# KiCad board data-center-ddr5-tester.kicad_pcb (continued)
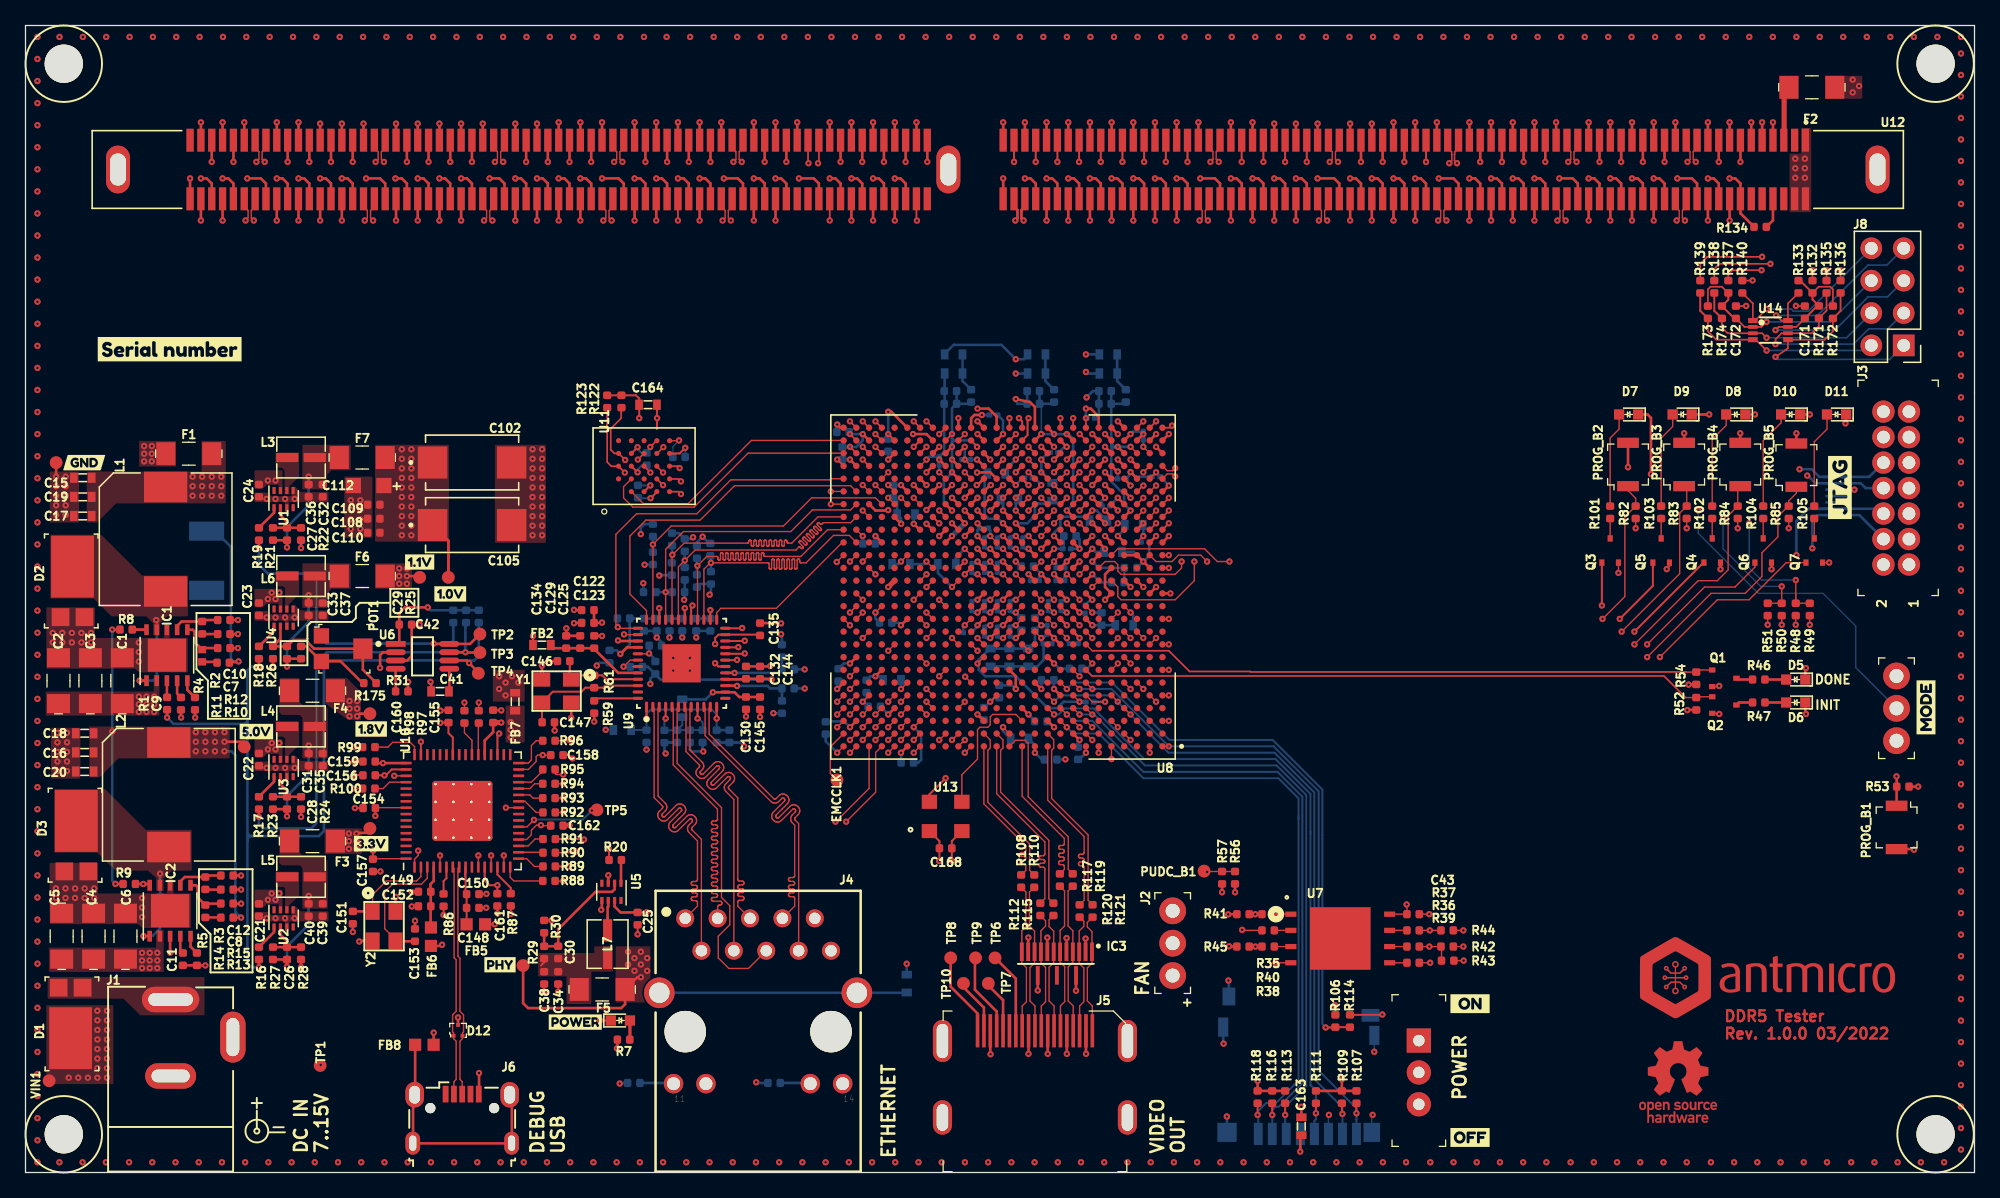
[diagram p0: board, top side]
## Routing (per net, layer and track width the routed paths; a pad name or vN(x,y) marks a point on that pad's centre or on a via; arc(x,y) is an arc through that point) (continued)
DQ0_A: length 77.6
  Top w0.2: U12.7 v4(134.45,79.3) ; v4(84.64,48.94) U8.U6
  In2.Cu w0.127: v4(84.64,48.94) 84.64,46.69 85.39,45.94 115.19,45.94 134.45,65.2 134.45,76.09 134.45,76.12 134.46,76.14 134.48,76.17 134.5,76.19 134.52,76.2 134.55,76.21 134.58,76.22 134.6,76.22 134.63,76.22 134.65,76.23 134.68,76.24 134.7,76.26 134.71,76.29 134.72,76.31 134.72,76.34 134.72,76.37 134.71,76.4 134.7,76.42 134.68,76.44 134.65,76.46 134.63,76.47 134.6,76.47 134.3,76.47 134.27,76.47 134.25,76.48 134.22,76.5 134.2,76.52 134.19,76.54 134.18,76.57 134.18,76.6 134.18,76.62 134.19,76.65 134.2,76.68 134.22,76.7 134.25,76.71 134.27,76.72 134.3,76.72 134.32,76.72 134.35,76.73 134.38,76.74 134.4,76.75 134.42,76.77 134.44,76.79 134.45,76.82 134.45,76.85 v4(134.45,79.3)
DQ0_B: length 57.1
  Top w0.2: U12.100 v4(50.3,79.3) ; v4(74.64,59.94) 75.51,59.94 76.14,59.31 U8.AF14
  In2.Cu w0.127: v4(50.3,79.3) 50.3,78.95 50.3,78.92 50.29,78.89 50.27,78.87 50.25,78.85 50.23,78.84 50.2,78.83 50.17,78.82 50.03,78.82 50,78.82 49.98,78.81 49.95,78.8 49.93,78.78 49.92,78.75 49.91,78.72 49.91,78.7 49.91,78.67 49.92,78.64 49.93,78.62 49.95,78.6 49.98,78.58 50,78.57 50.03,78.57 50.57,78.57 50.6,78.57 50.62,78.56 50.65,78.54 50.67,78.52 50.68,78.5 50.69,78.47 50.69,78.44 50.69,78.41 50.68,78.39 50.67,78.36 50.65,78.34 50.62,78.33 50.6,78.32 50.57,78.31 50.03,78.31 50,78.31 49.98,78.3 49.95,78.29 49.93,78.27 49.92,78.24 49.91,78.22 49.91,78.19 49.91,78.16 49.92,78.13 49.93,78.11 49.95,78.09 49.98,78.07 50,78.06 50.03,78.06 50.57,78.06 50.6,78.06 50.62,78.05 50.65,78.03 50.67,78.01 50.68,77.99 50.69,77.96 50.69,77.93 50.69,77.91 50.68,77.88 50.67,77.85 50.65,77.83 50.62,77.82 50.6,77.81 50.57,77.81 50.03,77.81 50,77.8 49.98,77.79 49.95,77.78 49.93,77.76 49.92,77.74 49.91,77.71 49.91,77.68 49.91,77.65 49.92,77.62 49.93,77.6 49.95,77.58 49.98,77.57 50,77.56 50.03,77.55 50.57,77.55 50.6,77.55 50.62,77.54 50.65,77.53 50.67,77.51 50.68,77.48 50.69,77.45 50.69,77.43 50.69,77.4 50.68,77.37 50.67,77.35 50.65,77.33 50.62,77.31 50.6,77.3 50.57,77.3 50.03,77.3 50,77.3 49.98,77.29 49.95,77.27 49.93,77.25 49.92,77.23 49.91,77.2 49.91,77.17 49.91,77.14 49.92,77.12 49.93,77.09 49.95,77.07 49.98,77.06 50,77.05 50.03,77.05 50.57,77.05 50.6,77.04 50.62,77.03 50.65,77.02 50.67,77 50.68,76.97 50.69,76.95 50.69,76.92 50.69,76.89 50.68,76.86 50.67,76.84 50.65,76.82 50.62,76.8 50.6,76.79 50.57,76.79 50.03,76.79 50,76.79 49.98,76.78 49.95,76.76 49.93,76.74 49.92,76.72 49.91,76.69 49.91,76.66 49.91,76.64 49.92,76.61 49.93,76.58 49.95,76.56 49.98,76.55 50,76.54 50.03,76.54 50.57,76.54 50.6,76.53 50.62,76.52 50.65,76.51 50.67,76.49 50.68,76.47 50.69,76.44 50.69,76.41 50.69,76.38 50.68,76.35 50.67,76.33 50.65,76.31 50.62,76.3 50.6,76.29 50.57,76.28 50.03,76.28 50,76.28 49.98,76.27 49.95,76.26 49.93,76.24 49.92,76.21 49.91,76.18 49.91,76.16 49.91,76.13 49.92,76.1 49.93,76.08 49.95,76.06 49.98,76.04 50,76.03 50.03,76.03 50.57,76.03 50.6,76.03 50.62,76.02 50.65,76 50.67,75.98 50.68,75.96 50.69,75.93 50.69,75.9 50.69,75.87 50.68,75.85 50.67,75.82 50.65,75.8 50.62,75.79 50.6,75.78 50.57,75.78 50.03,75.78 50,75.77 49.98,75.76 49.95,75.75 49.93,75.73 49.92,75.7 49.91,75.68 49.91,75.65 49.91,75.62 49.92,75.59 49.93,75.57 49.95,75.55 49.98,75.53 50,75.52 50.03,75.52 50.57,75.52 50.6,75.52 50.62,75.51 50.65,75.49 50.67,75.47 50.68,75.45 50.69,75.42 50.69,75.39 50.69,75.37 50.68,75.34 50.67,75.31 50.65,75.29 50.62,75.28 50.6,75.27 50.57,75.27 50.03,75.27 50,75.26 49.98,75.25 49.95,75.24 49.93,75.22 49.92,75.2 49.91,75.17 49.91,75.14 49.91,75.11 49.92,75.08 49.93,75.06 49.95,75.04 49.98,75.03 50,75.02 50.03,75.01 50.57,75.01 50.6,75.01 50.62,75 50.65,74.99 50.67,74.97 50.68,74.94 50.69,74.91 50.69,74.89 50.69,74.86 50.68,74.83 50.67,74.81 50.65,74.79 50.62,74.77 50.6,74.76 50.57,74.76 50.43,74.76 50.4,74.76 50.37,74.75 50.35,74.73 50.33,74.71 50.31,74.69 50.3,74.66 50.3,74.63 50.3,66.03 50.89,65.44 72.39,65.44 74.64,63.19 v4(74.64,59.94)
DQ1_A: length 77.6
  Top w0.2: U12.9 v4(132.75,79.3) ; U8.U5 v4(84.64,49.94)
  In2.Cu w0.127: v4(84.64,49.94) 85.01,49.94 85.64,49.31 85.64,47.94 86.64,46.94 114.19,46.94 132.75,65.5 132.75,75.57 132.75,75.6 132.76,75.63 132.78,75.65 132.8,75.67 132.82,75.69 132.85,75.7 132.88,75.7 132.98,75.7 133.01,75.7 133.04,75.71 133.06,75.73 133.08,75.75 133.1,75.77 133.11,75.8 133.11,75.83 133.11,75.85 133.1,75.88 133.08,75.91 133.06,75.93 133.04,75.94 133.01,75.95 132.98,75.95 132.52,75.95 132.49,75.96 132.46,75.97 132.44,75.98 132.42,76 132.4,76.02 132.39,76.05 132.39,76.08 132.39,76.11 132.4,76.14 132.42,76.16 132.44,76.18 132.46,76.19 132.49,76.2 132.52,76.21 132.98,76.21 133.01,76.21 133.04,76.22 133.06,76.23 133.08,76.25 133.1,76.28 133.11,76.31 133.11,76.33 133.11,76.36 133.1,76.39 133.08,76.41 133.06,76.43 133.04,76.45 133.01,76.46 132.98,76.46 132.52,76.46 132.49,76.46 132.46,76.47 132.44,76.49 132.42,76.51 132.4,76.53 132.39,76.56 132.39,76.59 132.39,76.62 132.4,76.64 132.42,76.67 132.44,76.69 132.46,76.7 132.49,76.71 132.52,76.72 132.98,76.72 133.01,76.72 133.04,76.73 133.06,76.74 133.08,76.76 133.1,76.79 133.11,76.81 133.11,76.84 133.11,76.87 133.1,76.9 133.08,76.92 133.06,76.94 133.04,76.96 133.01,76.97 132.98,76.97 132.52,76.97 132.49,76.97 132.46,76.98 132.44,77 132.42,77.02 132.4,77.04 132.39,77.07 132.39,77.1 132.39,77.12 132.4,77.15 132.42,77.18 132.44,77.2 132.46,77.21 132.49,77.22 132.52,77.22 132.62,77.22 132.65,77.23 132.68,77.24 132.7,77.25 132.72,77.27 132.74,77.29 132.75,77.32 132.75,77.35 v4(132.75,79.3)
DQ1_B: length 57.1
  Top w0.2: U12.102 v4(48.6,79.3) ; U8.AE15 v4(74.64,57.94)
  In2.Cu w0.127: v4(74.64,57.94) 73.64,58.94 73.64,62.69 71.89,64.44 49.14,64.44 48.6,64.98 48.6,75.09 48.6,75.12 48.61,75.15 48.63,75.17 48.65,75.19 48.67,75.2 48.7,75.21 48.73,75.22 48.86,75.22 48.89,75.22 48.92,75.23 48.94,75.24 48.96,75.26 48.98,75.29 48.99,75.32 48.99,75.34 48.99,75.37 48.98,75.4 48.96,75.42 48.94,75.44 48.92,75.46 48.89,75.47 48.86,75.47 48.34,75.47 48.31,75.47 48.28,75.48 48.26,75.5 48.24,75.52 48.22,75.54 48.21,75.57 48.21,75.6 48.21,75.63 48.22,75.65 48.24,75.68 48.26,75.7 48.28,75.71 48.31,75.72 48.34,75.72 48.86,75.72 48.89,75.73 48.92,75.74 48.94,75.75 48.96,75.77 48.98,75.8 48.99,75.82 48.99,75.85 48.99,75.88 48.98,75.91 48.96,75.93 48.94,75.95 48.92,75.97 48.89,75.98 48.86,75.98 48.34,75.98 48.31,75.98 48.28,75.99 48.26,76.01 48.24,76.03 48.22,76.05 48.21,76.08 48.21,76.11 48.21,76.13 48.22,76.16 48.24,76.19 48.26,76.21 48.28,76.22 48.31,76.23 48.34,76.23 48.86,76.23 48.89,76.24 48.92,76.25 48.94,76.26 48.96,76.28 48.98,76.3 48.99,76.33 48.99,76.36 48.99,76.39 48.98,76.42 48.96,76.44 48.94,76.46 48.92,76.47 48.89,76.48 48.86,76.49 48.34,76.49 48.31,76.49 48.28,76.5 48.26,76.51 48.24,76.53 48.22,76.56 48.21,76.59 48.21,76.61 48.21,76.64 48.22,76.67 48.24,76.69 48.26,76.71 48.28,76.73 48.31,76.74 48.34,76.74 48.86,76.74 48.89,76.74 48.92,76.75 48.94,76.77 48.96,76.79 48.98,76.81 48.99,76.84 48.99,76.87 48.99,76.9 48.98,76.92 48.96,76.95 48.94,76.97 48.92,76.98 48.89,76.99 48.86,77 48.34,77 48.31,77 48.28,77.01 48.26,77.02 48.24,77.04 48.22,77.07 48.21,77.09 48.21,77.12 48.21,77.15 48.22,77.18 48.24,77.2 48.26,77.22 48.28,77.24 48.31,77.25 48.34,77.25 48.86,77.25 48.89,77.25 48.92,77.26 48.94,77.28 48.96,77.3 48.98,77.32 48.99,77.35 48.99,77.38 48.99,77.4 48.98,77.43 48.96,77.46 48.94,77.48 48.92,77.49 48.89,77.5 48.86,77.5 48.34,77.5 48.31,77.51 48.28,77.52 48.26,77.53 48.24,77.55 48.22,77.57 48.21,77.6 48.21,77.63 48.21,77.66 48.22,77.69 48.24,77.71 48.26,77.73 48.28,77.74 48.31,77.75 48.34,77.76 48.86,77.76 48.89,77.76 48.92,77.77 48.94,77.78 48.96,77.8 48.98,77.83 48.99,77.86 48.99,77.88 48.99,77.91 48.98,77.94 48.96,77.96 48.94,77.98 48.92,78 48.89,78.01 48.86,78.01 48.34,78.01 48.31,78.01 48.28,78.02 48.26,78.04 48.24,78.06 48.22,78.08 48.21,78.11 48.21,78.14 48.21,78.17 48.22,78.19 48.24,78.22 48.26,78.24 48.28,78.25 48.31,78.26 48.34,78.27 48.86,78.27 48.89,78.27 48.92,78.28 48.94,78.29 48.96,78.31 48.98,78.34 48.99,78.36 48.99,78.39 48.99,78.42 48.98,78.45 48.96,78.47 48.94,78.49 48.92,78.51 48.89,78.52 48.86,78.52 48.34,78.52 48.31,78.52 48.28,78.53 48.26,78.55 48.24,78.57 48.22,78.59 48.21,78.62 48.21,78.65 48.21,78.67 48.22,78.7 48.24,78.73 48.26,78.75 48.28,78.76 48.31,78.77 48.34,78.77 48.47,78.77 48.5,78.78 48.53,78.79 48.55,78.8 48.57,78.82 48.59,78.84 48.6,78.87 48.6,78.9 v4(48.6,79.3)
DQ2_A: length 77.6
  Top w0.2: U12.152 v4(133.6,74.7) ; U8.U7 v4(83.64,49.94)
  In2.Cu w0.127: v4(83.64,49.94) 84.14,49.44 84.89,49.44 85.14,49.19 85.14,47.44 86.14,46.44 114.69,46.44 133.6,65.35 133.6,71.66 133.6,71.69 133.59,71.72 133.57,71.74 133.55,71.76 133.53,71.77 133.5,71.78 133.47,71.79 133.35,71.79 133.33,71.79 133.3,71.8 133.28,71.81 133.26,71.83 133.24,71.86 133.23,71.89 133.23,71.91 133.23,71.94 133.24,71.97 133.26,71.99 133.28,72.01 133.3,72.03 133.33,72.04 133.35,72.04 133.85,72.04 133.87,72.04 133.9,72.05 133.92,72.07 133.94,72.09 133.96,72.11 133.97,72.14 133.97,72.17 133.97,72.2 133.96,72.22 133.94,72.25 133.92,72.27 133.9,72.28 133.87,72.29 133.85,72.3 133.35,72.3 133.33,72.3 133.3,72.31 133.28,72.32 133.26,72.34 133.24,72.37 133.23,72.39 133.23,72.42 133.23,72.45 133.24,72.48 133.26,72.5 133.28,72.52 133.3,72.54 133.33,72.55 133.35,72.55 133.85,72.55 133.87,72.55 133.9,72.56 133.92,72.58 133.94,72.6 133.96,72.62 133.97,72.65 133.97,72.68 133.97,72.7 133.96,72.73 133.94,72.76 133.92,72.78 133.9,72.79 133.87,72.8 133.85,72.8 133.35,72.8 133.33,72.81 133.3,72.82 133.28,72.83 133.26,72.85 133.24,72.87 133.23,72.9 133.23,72.93 133.23,72.96 133.24,72.99 133.26,73.01 133.28,73.03 133.3,73.04 133.33,73.05 133.35,73.06 133.85,73.06 133.87,73.06 133.9,73.07 133.92,73.08 133.94,73.1 133.96,73.13 133.97,73.16 133.97,73.18 133.97,73.21 133.96,73.24 133.94,73.26 133.92,73.28 133.9,73.3 133.87,73.31 133.85,73.31 133.35,73.31 133.33,73.31 133.3,73.32 133.28,73.34 133.26,73.36 133.24,73.38 133.23,73.41 133.23,73.44 133.23,73.47 133.24,73.49 133.26,73.52 133.28,73.54 133.3,73.55 133.33,73.56 133.35,73.56 133.85,73.56 133.87,73.57 133.9,73.58 133.92,73.59 133.94,73.61 133.96,73.64 133.97,73.66 133.97,73.69 133.97,73.72 133.96,73.75 133.94,73.77 133.92,73.79 133.9,73.81 133.87,73.82 133.85,73.82 133.35,73.82 133.33,73.82 133.3,73.83 133.28,73.85 133.26,73.87 133.24,73.89 133.23,73.92 133.23,73.95 133.23,73.97 133.24,74 133.26,74.03 133.28,74.05 133.3,74.06 133.33,74.07 133.35,74.07 133.47,74.07 133.5,74.08 133.53,74.09 133.55,74.1 133.57,74.12 133.59,74.14 133.6,74.17 133.6,74.2 v4(133.6,74.7)
DQ2_B: length 57.1
  Top w0.2: U12.245 v4(49.45,74.7) ; U8.AF15 v4(74.64,58.94)
  In2.Cu w0.127: v4(49.45,74.7) 49.45,74.05 49.45,74.02 49.44,73.99 49.42,73.97 49.4,73.95 49.38,73.94 49.35,73.93 49.32,73.92 49.18,73.92 49.15,73.92 49.13,73.91 49.1,73.9 49.08,73.88 49.07,73.85 49.06,73.82 49.06,73.8 49.06,73.77 49.07,73.74 49.08,73.72 49.1,73.7 49.13,73.68 49.15,73.67 49.18,73.67 49.72,73.67 49.75,73.67 49.77,73.66 49.8,73.64 49.82,73.62 49.83,73.6 49.84,73.57 49.84,73.54 49.84,73.51 49.83,73.49 49.82,73.46 49.8,73.44 49.77,73.43 49.75,73.42 49.72,73.41 49.18,73.41 49.15,73.41 49.13,73.4 49.1,73.39 49.08,73.37 49.07,73.34 49.06,73.32 49.06,73.29 49.06,73.26 49.07,73.23 49.08,73.21 49.1,73.19 49.13,73.17 49.15,73.16 49.18,73.16 49.72,73.16 49.75,73.16 49.77,73.15 49.8,73.13 49.82,73.11 49.83,73.09 49.84,73.06 49.84,73.03 49.84,73.01 49.83,72.98 49.82,72.95 49.8,72.93 49.77,72.92 49.75,72.91 49.72,72.91 49.18,72.91 49.15,72.9 49.13,72.89 49.1,72.88 49.08,72.86 49.07,72.84 49.06,72.81 49.06,72.78 49.06,72.75 49.07,72.72 49.08,72.7 49.1,72.68 49.13,72.67 49.15,72.66 49.18,72.65 49.72,72.65 49.75,72.65 49.77,72.64 49.8,72.63 49.82,72.61 49.83,72.58 49.84,72.55 49.84,72.53 49.84,72.5 49.83,72.47 49.82,72.45 49.8,72.43 49.77,72.41 49.75,72.4 49.72,72.4 49.18,72.4 49.15,72.4 49.13,72.39 49.1,72.37 49.08,72.35 49.07,72.33 49.06,72.3 49.06,72.27 49.06,72.24 49.07,72.22 49.08,72.19 49.1,72.17 49.13,72.16 49.15,72.15 49.18,72.15 49.72,72.15 49.75,72.14 49.77,72.13 49.8,72.12 49.82,72.1 49.83,72.07 49.84,72.05 49.84,72.02 49.84,71.99 49.83,71.96 49.82,71.94 49.8,71.92 49.77,71.9 49.75,71.89 49.72,71.89 49.18,71.89 49.15,71.89 49.13,71.88 49.1,71.86 49.08,71.84 49.07,71.82 49.06,71.79 49.06,71.76 49.06,71.74 49.07,71.71 49.08,71.68 49.1,71.66 49.13,71.65 49.15,71.64 49.18,71.64 49.72,71.64 49.75,71.63 49.77,71.62 49.8,71.61 49.82,71.59 49.83,71.57 49.84,71.54 49.84,71.51 49.84,71.48 49.83,71.45 49.82,71.43 49.8,71.41 49.77,71.4 49.75,71.39 49.72,71.38 49.18,71.38 49.15,71.38 49.13,71.37 49.1,71.36 49.08,71.34 49.07,71.31 49.06,71.28 49.06,71.26 49.06,71.23 49.07,71.2 49.08,71.18 49.1,71.16 49.13,71.14 49.15,71.13 49.18,71.13 49.72,71.13 49.75,71.13 49.77,71.12 49.8,71.1 49.82,71.08 49.83,71.06 49.84,71.03 49.84,71 49.84,70.97 49.83,70.95 49.82,70.92 49.8,70.9 49.77,70.89 49.75,70.88 49.72,70.88 49.18,70.88 49.15,70.87 49.13,70.86 49.1,70.85 49.08,70.83 49.07,70.8 49.06,70.78 49.06,70.75 49.06,70.72 49.07,70.69 49.08,70.67 49.1,70.65 49.13,70.63 49.15,70.62 49.18,70.62 49.72,70.62 49.75,70.62 49.77,70.61 49.8,70.59 49.82,70.57 49.83,70.55 49.84,70.52 49.84,70.49 49.84,70.47 49.83,70.44 49.82,70.41 49.8,70.39 49.77,70.38 49.75,70.37 49.72,70.37 49.18,70.37 49.15,70.36 49.13,70.35 49.1,70.34 49.08,70.32 49.07,70.3 49.06,70.27 49.06,70.24 49.06,70.21 49.07,70.18 49.08,70.16 49.1,70.14 49.13,70.13 49.15,70.12 49.18,70.11 49.72,70.11 49.75,70.11 49.77,70.1 49.8,70.09 49.82,70.07 49.83,70.04 49.84,70.01 49.84,69.99 49.84,69.96 49.83,69.93 49.82,69.91 49.8,69.89 49.77,69.87 49.75,69.86 49.72,69.86 49.18,69.86 49.15,69.86 49.13,69.85 49.1,69.83 49.08,69.81 49.07,69.79 49.06,69.76 49.06,69.73 49.06,69.7 49.07,69.68 49.08,69.65 49.1,69.63 49.13,69.62 49.15,69.61 49.18,69.61 49.72,69.61 49.75,69.6 49.77,69.59 49.8,69.58 49.82,69.56 49.83,69.53 49.84,69.51 49.84,69.48 49.84,69.45 49.83,69.42 49.82,69.4 49.8,69.38 49.77,69.36 49.75,69.35 49.72,69.35 49.18,69.35 49.15,69.35 49.13,69.34 49.1,69.32 49.08,69.3 49.07,69.28 49.06,69.25 49.06,69.22 49.06,69.2 49.07,69.17 49.08,69.14 49.1,69.12 49.13,69.11 49.15,69.1 49.18,69.1 49.72,69.1 49.75,69.09 49.77,69.08 49.8,69.07 49.82,69.05 49.83,69.03 49.84,69 49.84,68.97 49.84,68.94 49.83,68.91 49.82,68.89 49.8,68.87 49.77,68.86 49.75,68.85 49.72,68.84 49.18,68.84 49.15,68.84 49.13,68.83 49.1,68.82 49.08,68.8 49.07,68.77 49.06,68.74 49.06,68.72 49.06,68.69 49.07,68.66 49.08,68.64 49.1,68.62 49.13,68.6 49.15,68.59 49.18,68.59 49.72,68.59 49.75,68.59 49.77,68.58 49.8,68.56 49.82,68.54 49.83,68.52 49.84,68.49 49.84,68.46 49.84,68.43 49.83,68.41 49.82,68.38 49.8,68.36 49.77,68.35 49.75,68.34 49.72,68.33 49.18,68.33 49.15,68.33 49.13,68.32 49.1,68.31 49.08,68.29 49.07,68.26 49.06,68.24 49.06,68.21 49.06,68.18 49.07,68.15 49.08,68.13 49.1,68.11 49.13,68.09 49.15,68.08 49.18,68.08 49.32,68.08 49.35,68.08 49.38,68.07 49.4,68.05 49.42,68.03 49.44,68.01 49.45,67.98 49.45,67.95 49.45,65.38 49.89,64.94 72.14,64.94 74.14,62.94 74.14,59.44 v4(74.64,58.94)
DQ3_A: length 77.6
  Top w0.2: U12.154 v4(131.9,74.7) ; U8.V6 v4(83.64,50.94)
  In2.Cu w0.127: v4(83.64,50.94) U8.V6 86.14,50.44 86.39,50.19 86.39,48.19 87.14,47.44 113.69,47.44 131.9,65.65 131.9,70.4 131.9,70.43 131.91,70.45 131.93,70.48 131.95,70.5 131.97,70.51 132,70.52 132.03,70.53 132.16,70.53 132.18,70.53 132.21,70.54 132.23,70.55 132.25,70.57 132.27,70.6 132.28,70.62 132.28,70.65 132.28,70.68 132.27,70.71 132.25,70.73 132.23,70.75 132.21,70.77 132.18,70.78 132.16,70.78 131.64,70.78 131.62,70.78 131.59,70.79 131.57,70.81 131.55,70.83 131.53,70.85 131.52,70.88 131.52,70.91 131.52,70.93 131.53,70.96 131.55,70.99 131.57,71.01 131.59,71.02 131.62,71.03 131.64,71.03 132.16,71.03 132.18,71.04 132.21,71.05 132.23,71.06 132.25,71.08 132.27,71.1 132.28,71.13 132.28,71.16 132.28,71.19 132.27,71.22 132.25,71.24 132.23,71.26 132.21,71.27 132.18,71.28 132.16,71.29 131.64,71.29 131.62,71.29 131.59,71.3 131.57,71.31 131.55,71.33 131.53,71.36 131.52,71.39 131.52,71.41 131.52,71.44 131.53,71.47 131.55,71.49 131.57,71.51 131.59,71.53 131.62,71.54 131.64,71.54 132.16,71.54 132.18,71.54 132.21,71.55 132.23,71.57 132.25,71.59 132.27,71.61 132.28,71.64 132.28,71.67 132.28,71.7 132.27,71.72 132.25,71.75 132.23,71.77 132.21,71.78 132.18,71.79 132.16,71.8 131.64,71.8 131.62,71.8 131.59,71.81 131.57,71.82 131.55,71.84 131.53,71.87 131.52,71.89 131.52,71.92 131.52,71.95 131.53,71.98 131.55,72 131.57,72.02 131.59,72.04 131.62,72.05 131.64,72.05 132.16,72.05 132.18,72.05 132.21,72.06 132.23,72.08 132.25,72.1 132.27,72.12 132.28,72.15 132.28,72.18 132.28,72.2 132.27,72.23 132.25,72.26 132.23,72.28 132.21,72.29 132.18,72.3 132.16,72.3 131.64,72.3 131.62,72.31 131.59,72.32 131.57,72.33 131.55,72.35 131.53,72.37 131.52,72.4 131.52,72.43 131.52,72.46 131.53,72.49 131.55,72.51 131.57,72.53 131.59,72.54 131.62,72.55 131.64,72.56 132.16,72.56 132.18,72.56 132.21,72.57 132.23,72.58 132.25,72.6 132.27,72.63 132.28,72.66 132.28,72.68 132.28,72.71 132.27,72.74 132.25,72.76 132.23,72.78 132.21,72.8 132.18,72.81 132.16,72.81 131.64,72.81 131.62,72.81 131.59,72.82 131.57,72.84 131.55,72.86 131.53,72.88 131.52,72.91 131.52,72.94 131.52,72.97 131.53,72.99 131.55,73.02 131.57,73.04 131.59,73.05 131.62,73.06 131.64,73.06 132.16,73.06 132.18,73.07 132.21,73.08 132.23,73.09 132.25,73.11 132.27,73.14 132.28,73.16 132.28,73.19 132.28,73.22 132.27,73.25 132.25,73.27 132.23,73.29 132.21,73.31 132.18,73.32 132.16,73.32 131.64,73.32 131.62,73.32 131.59,73.33 131.57,73.35 131.55,73.37 131.53,73.39 131.52,73.42 131.52,73.45 131.52,73.47 131.53,73.5 131.55,73.53 131.57,73.55 131.59,73.56 131.62,73.57 131.64,73.57 131.77,73.57 131.8,73.58 131.83,73.59 131.85,73.6 131.87,73.62 131.89,73.64 131.9,73.67 131.9,73.7 v4(131.9,74.7)
DQ3_B: length 57.1
  Top w0.2: U12.247 v4(47.75,74.7) ; U8.AF17 v4(73.14,59.19)
  In2.Cu w0.127: v4(47.75,74.7) 47.75,73.75 47.75,73.72 47.74,73.69 47.72,73.67 47.7,73.65 47.68,73.64 47.65,73.63 47.62,73.62 47.48,73.62 47.45,73.62 47.42,73.61 47.4,73.6 47.38,73.58 47.36,73.55 47.35,73.52 47.35,73.5 47.35,73.47 47.36,73.44 47.38,73.42 47.4,73.4 47.42,73.38 47.45,73.37 47.48,73.37 48.02,73.37 48.05,73.37 48.08,73.36 48.1,73.34 48.12,73.32 48.14,73.3 48.15,73.27 48.15,73.24 48.15,73.21 48.14,73.19 48.12,73.16 48.1,73.14 48.08,73.13 48.05,73.12 48.02,73.12 47.48,73.12 47.45,73.11 47.42,73.1 47.4,73.09 47.38,73.07 47.36,73.04 47.35,73.02 47.35,72.99 47.35,72.96 47.36,72.93 47.38,72.91 47.4,72.89 47.42,72.87 47.45,72.86 47.48,72.86 48.02,72.86 48.05,72.86 48.08,72.85 48.1,72.83 48.12,72.81 48.14,72.79 48.15,72.76 48.15,72.73 48.15,72.71 48.14,72.68 48.12,72.65 48.1,72.63 48.08,72.62 48.05,72.61 48.02,72.61 47.48,72.61 47.45,72.6 47.42,72.59 47.4,72.58 47.38,72.56 47.36,72.54 47.35,72.51 47.35,72.48 47.35,72.45 47.36,72.42 47.38,72.4 47.4,72.38 47.42,72.37 47.45,72.36 47.48,72.35 48.02,72.35 48.05,72.35 48.08,72.34 48.1,72.33 48.12,72.31 48.14,72.28 48.15,72.25 48.15,72.23 48.15,72.2 48.14,72.17 48.12,72.15 48.1,72.13 48.08,72.11 48.05,72.1 48.02,72.1 47.48,72.1 47.45,72.1 47.42,72.09 47.4,72.07 47.38,72.05 47.36,72.03 47.35,72 47.35,71.97 47.35,71.94 47.36,71.92 47.38,71.89 47.4,71.87 47.42,71.86 47.45,71.85 47.48,71.84 48.02,71.84 48.05,71.84 48.08,71.83 48.1,71.82 48.12,71.8 48.14,71.77 48.15,71.75 48.15,71.72 48.15,71.69 48.14,71.66 48.12,71.64 48.1,71.62 48.08,71.6 48.05,71.59 48.02,71.59 47.48,71.59 47.45,71.59 47.42,71.58 47.4,71.56 47.38,71.54 47.36,71.52 47.35,71.49 47.35,71.46 47.35,71.44 47.36,71.41 47.38,71.38 47.4,71.36 47.42,71.35 47.45,71.34 47.48,71.34 48.02,71.34 48.05,71.33 48.08,71.32 48.1,71.31 48.12,71.29 48.14,71.27 48.15,71.24 48.15,71.21 48.15,71.18 48.14,71.15 48.12,71.13 48.1,71.11 48.08,71.1 48.05,71.09 48.02,71.08 47.48,71.08 47.45,71.08 47.42,71.07 47.4,71.06 47.38,71.04 47.36,71.01 47.35,70.98 47.35,70.96 47.35,70.93 47.36,70.9 47.38,70.88 47.4,70.86 47.42,70.84 47.45,70.83 47.48,70.83 48.02,70.83 48.05,70.83 48.08,70.82 48.1,70.8 48.12,70.78 48.14,70.76 48.15,70.73 48.15,70.7 48.15,70.67 48.14,70.65 48.12,70.62 48.1,70.6 48.08,70.59 48.05,70.58 48.02,70.58 47.48,70.58 47.45,70.57 47.42,70.56 47.4,70.55 47.38,70.53 47.36,70.5 47.35,70.48 47.35,70.45 47.35,70.42 47.36,70.39 47.38,70.37 47.4,70.35 47.42,70.33 47.45,70.32 47.48,70.32 48.02,70.32 48.05,70.32 48.08,70.31 48.1,70.29 48.12,70.27 48.14,70.25 48.15,70.22 48.15,70.19 48.15,70.17 48.14,70.14 48.12,70.11 48.1,70.09 48.08,70.08 48.05,70.07 48.02,70.07 47.48,70.07 47.45,70.06 47.42,70.05 47.4,70.04 47.38,70.02 47.36,70 47.35,69.97 47.35,69.94 47.35,69.91 47.36,69.88 47.38,69.86 47.4,69.84 47.42,69.83 47.45,69.82 47.48,69.81 48.02,69.81 48.05,69.81 48.08,69.8 48.1,69.79 48.12,69.77 48.14,69.74 48.15,69.71 48.15,69.69 48.15,69.66 48.14,69.63 48.12,69.61 48.1,69.59 48.08,69.57 48.05,69.56 48.02,69.56 47.48,69.56 47.45,69.56 47.42,69.55 47.4,69.53 47.38,69.51 47.36,69.49 47.35,69.46 47.35,69.43 47.35,69.4 47.36,69.38 47.38,69.35 47.4,69.33 47.42,69.32 47.45,69.31 47.48,69.31 48.02,69.31 48.05,69.3 48.08,69.29 48.1,69.28 48.12,69.26 48.14,69.23 48.15,69.21 48.15,69.18 48.15,69.15 48.14,69.12 48.12,69.1 48.1,69.08 48.08,69.06 48.05,69.05 48.02,69.05 47.48,69.05 47.45,69.05 47.42,69.04 47.4,69.02 47.38,69 47.36,68.98 47.35,68.95 47.35,68.92 47.35,68.9 47.36,68.87 47.38,68.84 47.4,68.82 47.42,68.81 47.45,68.8 47.48,68.8 48.02,68.8 48.05,68.79 48.08,68.78 48.1,68.77 48.12,68.75 48.14,68.73 48.15,68.7 48.15,68.67 48.15,68.64 48.14,68.61 48.12,68.59 48.1,68.57 48.08,68.56 48.05,68.55 48.02,68.54 47.48,68.54 47.45,68.54 47.42,68.53 47.4,68.52 47.38,68.5 47.36,68.47 47.35,68.44 47.35,68.42 47.35,68.39 47.36,68.36 47.38,68.34 47.4,68.32 47.42,68.3 47.45,68.29 47.48,68.29 48.02,68.29 48.05,68.29 48.08,68.28 48.1,68.26 48.12,68.24 48.14,68.22 48.15,68.19 48.15,68.16 48.15,68.13 48.14,68.11 48.12,68.08 48.1,68.06 48.08,68.05 48.05,68.04 48.02,68.03 47.88,68.03 47.85,68.03 47.82,68.02 47.8,68.01 47.78,67.99 47.76,67.96 47.75,67.94 47.75,67.91 47.75,64.58 48.39,63.94 71.64,63.94 73.14,62.44 v4(73.14,59.19)
DQ4_A: length 77.6
  Top w0.2: U12.14 v4(128.5,79.3) ; U8.U1 v4(89.64,49.94)
  In2.Cu w0.127: v4(128.5,79.3) 128.5,78.9 128.5,78.87 128.49,78.84 128.47,78.82 128.45,78.8 128.43,78.79 128.4,78.78 128.37,78.77 128.23,78.77 128.2,78.77 128.18,78.76 128.15,78.75 128.13,78.73 128.12,78.7 128.11,78.67 128.1,78.65 128.11,78.62 128.12,78.59 128.13,78.57 128.15,78.55 128.18,78.53 128.2,78.52 128.23,78.52 128.77,78.52 128.8,78.52 128.82,78.51 128.85,78.49 128.87,78.47 128.88,78.45 128.89,78.42 128.9,78.39 128.89,78.36 128.88,78.34 128.87,78.31 128.85,78.29 128.82,78.28 128.8,78.27 128.77,78.27 128.23,78.27 128.2,78.26 128.18,78.25 128.15,78.24 128.13,78.22 128.12,78.19 128.11,78.17 128.1,78.14 128.11,78.11 128.12,78.08 128.13,78.06 128.15,78.04 128.18,78.02 128.2,78.01 128.23,78.01 128.77,78.01 128.8,78.01 128.82,78 128.85,77.98 128.87,77.96 128.88,77.94 128.89,77.91 128.9,77.88 128.89,77.86 128.88,77.83 128.87,77.8 128.85,77.78 128.82,77.77 128.8,77.76 128.77,77.76 128.23,77.76 128.2,77.75 128.18,77.74 128.15,77.73 128.13,77.71 128.12,77.69 128.11,77.66 128.1,77.63 128.11,77.6 128.12,77.57 128.13,77.55 128.15,77.53 128.18,77.52 128.2,77.51 128.23,77.5 128.77,77.5 128.8,77.5 128.82,77.49 128.85,77.48 128.87,77.46 128.88,77.43 128.89,77.4 128.9,77.38 128.89,77.35 128.88,77.32 128.87,77.3 128.85,77.28 128.82,77.26 128.8,77.25 128.77,77.25 128.23,77.25 128.2,77.25 128.18,77.24 128.15,77.22 128.13,77.2 128.12,77.18 128.11,77.15 128.1,77.12 128.11,77.09 128.12,77.07 128.13,77.04 128.15,77.02 128.18,77.01 128.2,77 128.23,77 128.77,77 128.8,76.99 128.82,76.98 128.85,76.97 128.87,76.95 128.88,76.92 128.89,76.9 128.9,76.87 128.89,76.84 128.88,76.81 128.87,76.79 128.85,76.77 128.82,76.75 128.8,76.74 128.77,76.74 128.23,76.74 128.2,76.74 128.18,76.73 128.15,76.71 128.13,76.69 128.12,76.67 128.11,76.64 128.1,76.61 128.11,76.59 128.12,76.56 128.13,76.53 128.15,76.51 128.18,76.5 128.2,76.49 128.23,76.49 128.77,76.49 128.8,76.48 128.82,76.47 128.85,76.46 128.87,76.44 128.88,76.42 128.89,76.39 128.9,76.36 128.89,76.33 128.88,76.3 128.87,76.28 128.85,76.26 128.82,76.25 128.8,76.24 128.77,76.23 128.23,76.23 128.2,76.23 128.18,76.22 128.15,76.21 128.13,76.19 128.12,76.16 128.11,76.13 128.1,76.11 128.11,76.08 128.12,76.05 128.13,76.03 128.15,76.01 128.18,75.99 128.2,75.98 128.23,75.98 128.77,75.98 128.8,75.98 128.82,75.97 128.85,75.95 128.87,75.93 128.88,75.91 128.89,75.88 128.9,75.85 128.89,75.82 128.88,75.8 128.87,75.77 128.85,75.75 128.82,75.74 128.8,75.73 128.77,75.72 128.23,75.72 128.2,75.72 128.18,75.71 128.15,75.7 128.13,75.68 128.12,75.65 128.11,75.63 128.1,75.6 128.11,75.57 128.12,75.54 128.13,75.52 128.15,75.5 128.18,75.48 128.2,75.47 128.23,75.47 128.77,75.47 128.8,75.47 128.82,75.46 128.85,75.44 128.87,75.42 128.88,75.4 128.89,75.37 128.9,75.34 128.89,75.32 128.88,75.29 128.87,75.26 128.85,75.24 128.82,75.23 128.8,75.22 128.77,75.22 128.23,75.22 128.2,75.21 128.18,75.2 128.15,75.19 128.13,75.17 128.12,75.15 128.11,75.12 128.1,75.09 128.11,75.06 128.12,75.03 128.13,75.01 128.15,74.99 128.18,74.98 128.2,74.97 128.23,74.96 128.77,74.96 128.8,74.96 128.82,74.95 128.85,74.94 128.87,74.92 128.88,74.89 128.89,74.86 128.9,74.84 128.89,74.81 128.88,74.78 128.87,74.76 128.85,74.74 128.82,74.72 128.8,74.71 128.77,74.71 128.23,74.71 128.2,74.71 128.18,74.7 128.15,74.68 128.13,74.66 128.12,74.64 128.11,74.61 128.1,74.58 128.11,74.55 128.12,74.53 128.13,74.5 128.15,74.48 128.18,74.47 128.2,74.46 128.23,74.45 128.77,74.45 128.8,74.45 128.82,74.44 128.85,74.43 128.87,74.41 128.88,74.38 128.89,74.36 128.9,74.33 128.89,74.3 128.88,74.27 128.87,74.25 128.85,74.23 128.82,74.21 128.8,74.2 128.77,74.2 128.23,74.2 128.2,74.2 128.18,74.19 128.15,74.17 128.13,74.15 128.12,74.13 128.11,74.1 128.1,74.07 128.11,74.05 128.12,74.02 128.13,73.99 128.15,73.97 128.18,73.96 128.2,73.95 128.23,73.95 128.77,73.95 128.8,73.94 128.82,73.93 128.85,73.92 128.87,73.9 128.88,73.88 128.89,73.85 128.9,73.82 128.89,73.79 128.88,73.76 128.87,73.74 128.85,73.72 128.82,73.71 128.8,73.7 128.77,73.69 128.23,73.69 128.2,73.69 128.18,73.68 128.15,73.67 128.13,73.65 128.12,73.62 128.11,73.59 128.1,73.57 128.11,73.54 128.12,73.51 128.13,73.49 128.15,73.47 128.18,73.45 128.2,73.44 128.23,73.44 128.77,73.44 128.8,73.44 128.82,73.43 128.85,73.41 128.87,73.39 128.88,73.37 128.89,73.34 128.9,73.31 128.89,73.28 128.88,73.26 128.87,73.23 128.85,73.21 128.82,73.2 128.8,73.19 128.77,73.19 128.23,73.19 128.2,73.18 128.18,73.17 128.15,73.16 128.13,73.14 128.12,73.11 128.11,73.09 128.1,73.06 128.11,73.03 128.12,73 128.13,72.98 128.15,72.96 128.18,72.94 128.2,72.93 128.23,72.93 128.37,72.93 128.4,72.93 128.43,72.92 128.45,72.9 128.47,72.88 128.49,72.86 128.5,72.83 128.5,72.8 128.5,64.55 113.89,49.94 v4(89.64,49.94)
